# Altium PCB G431_Dev_V2.PcbDoc (part 1 of 2)
Units mil, origin at the board's own origin, x right, y up, seen from the top; angles counter-clockwise.
Board outline 1968.5 x 2618.11 mil, 4 copper layers (Top Layer, G1, G2, Bottom Layer), stack 46.904 mil thick; 148 components, 99 nets, 1156 pads, 217 vias.
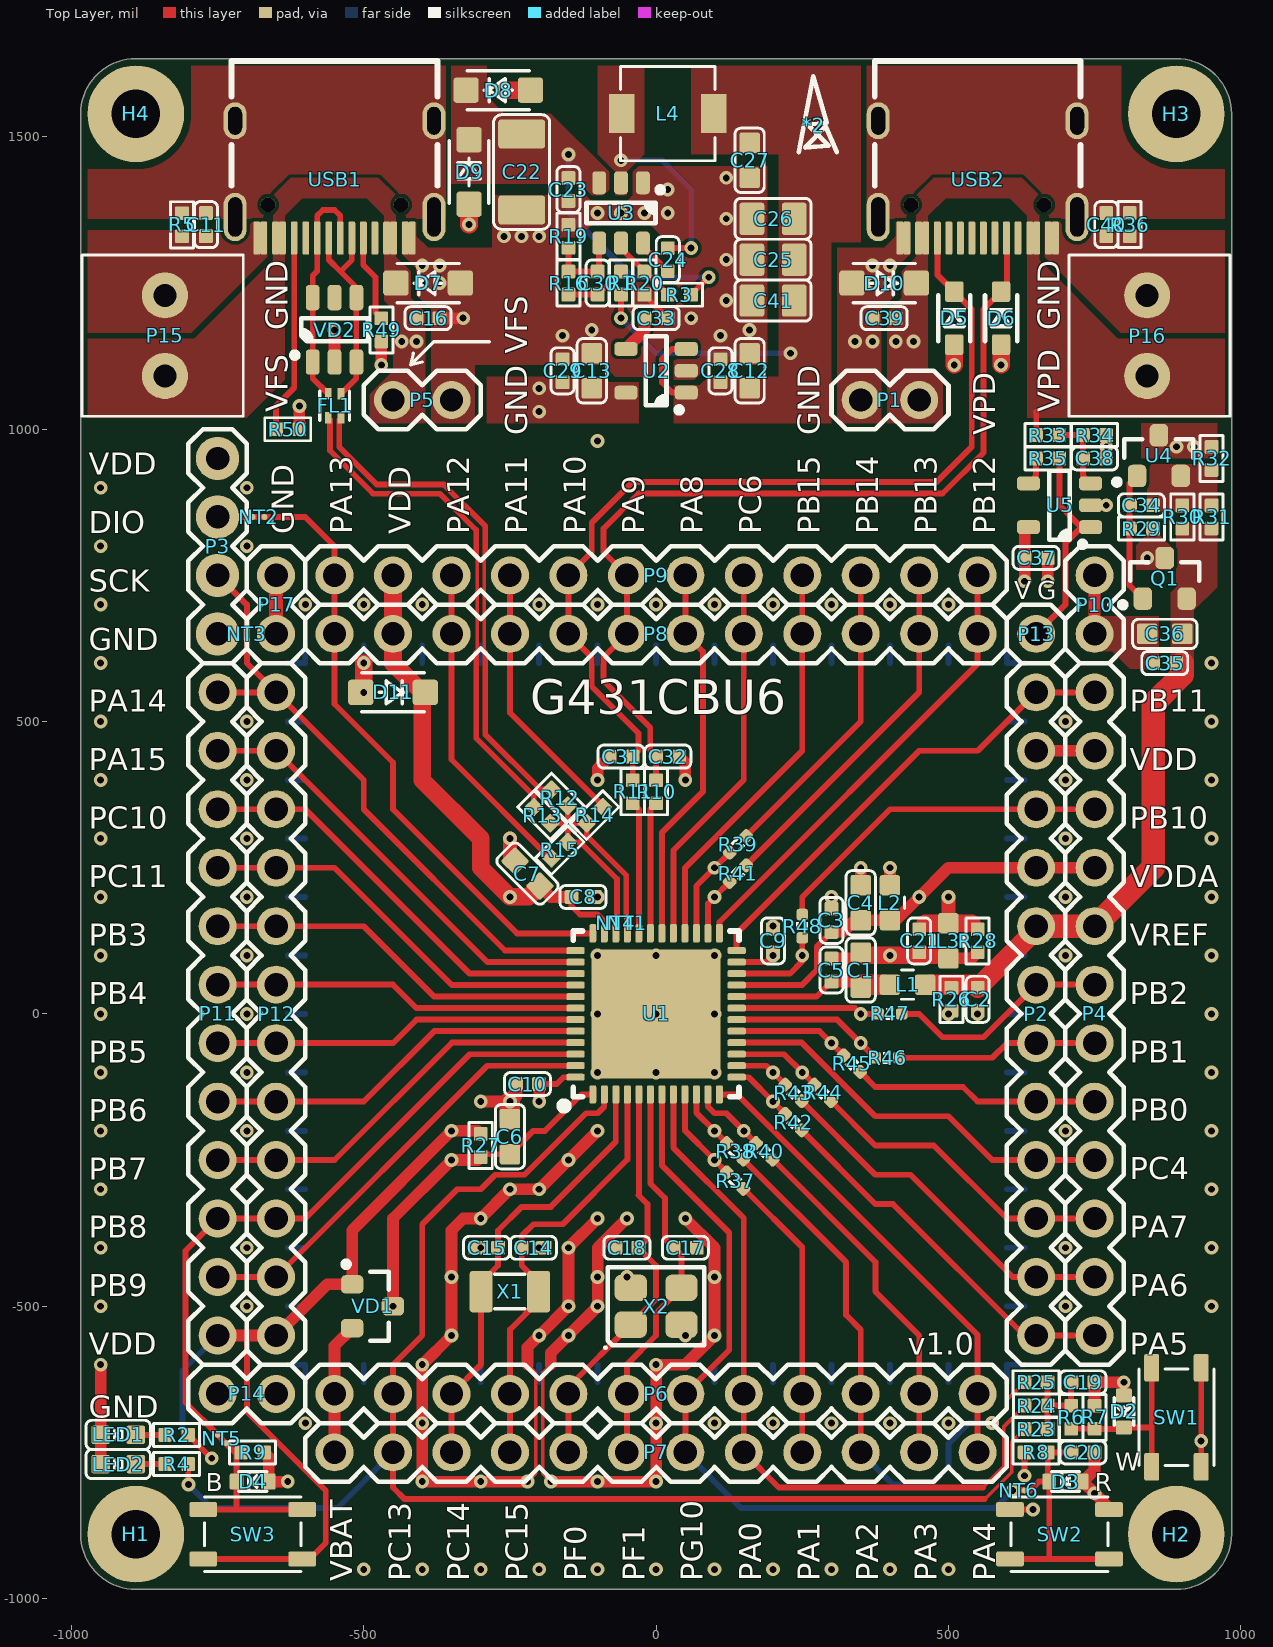
[diagram p0: Top Layer view]
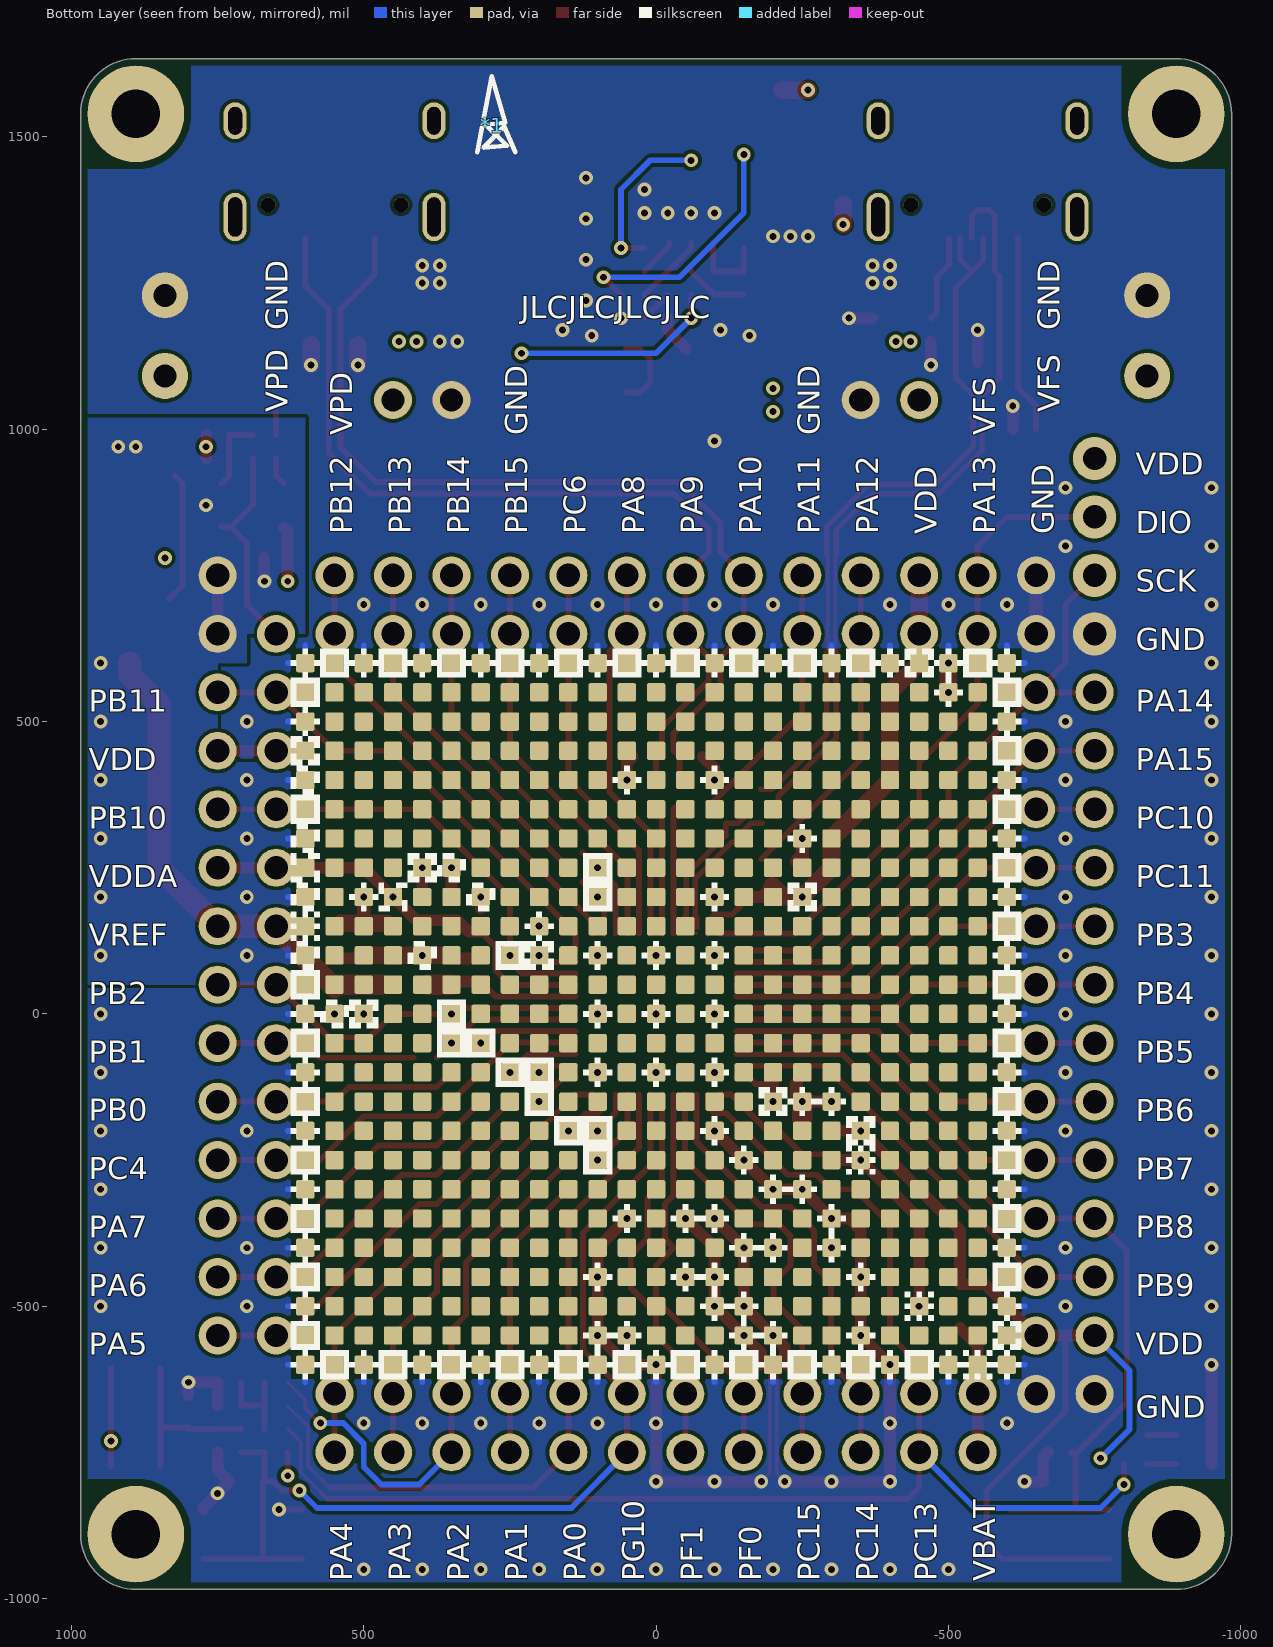
[diagram p1: Bottom Layer view, seen from below]
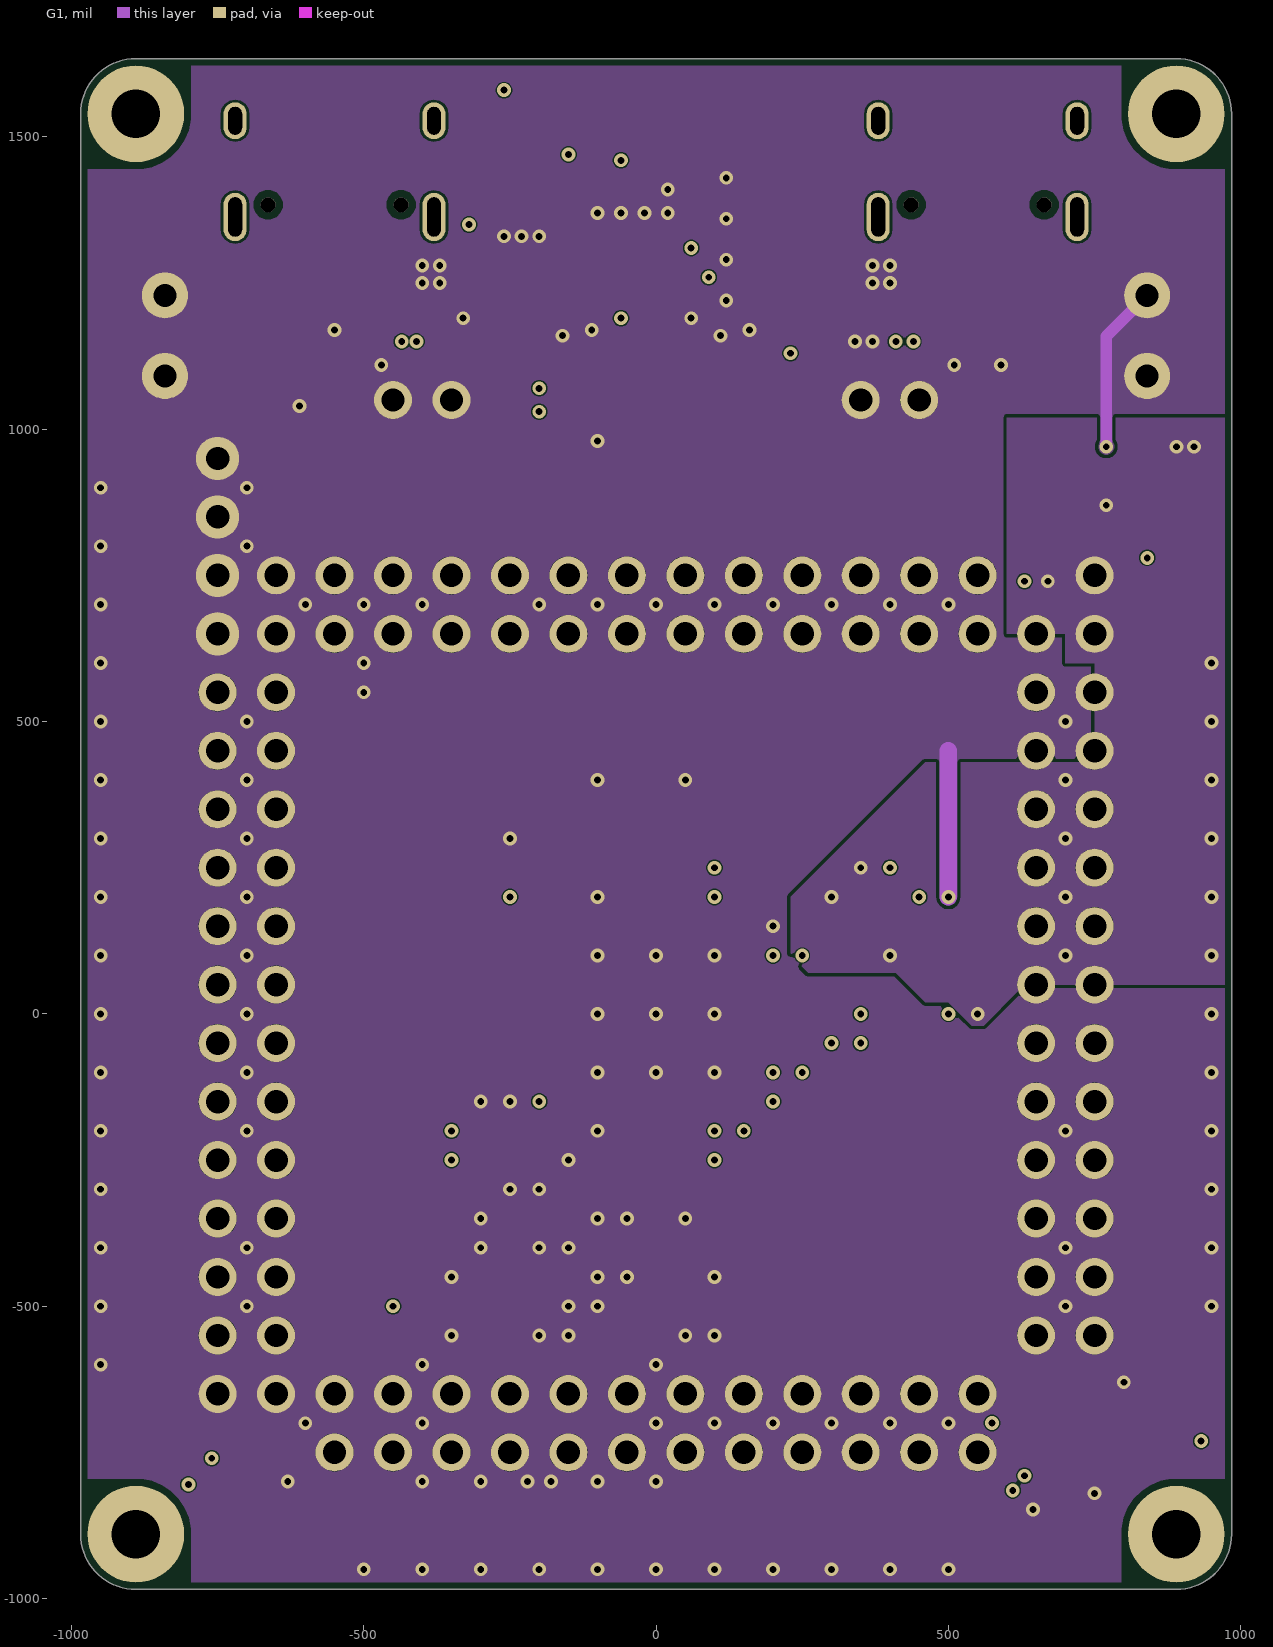
[diagram p2: G1]
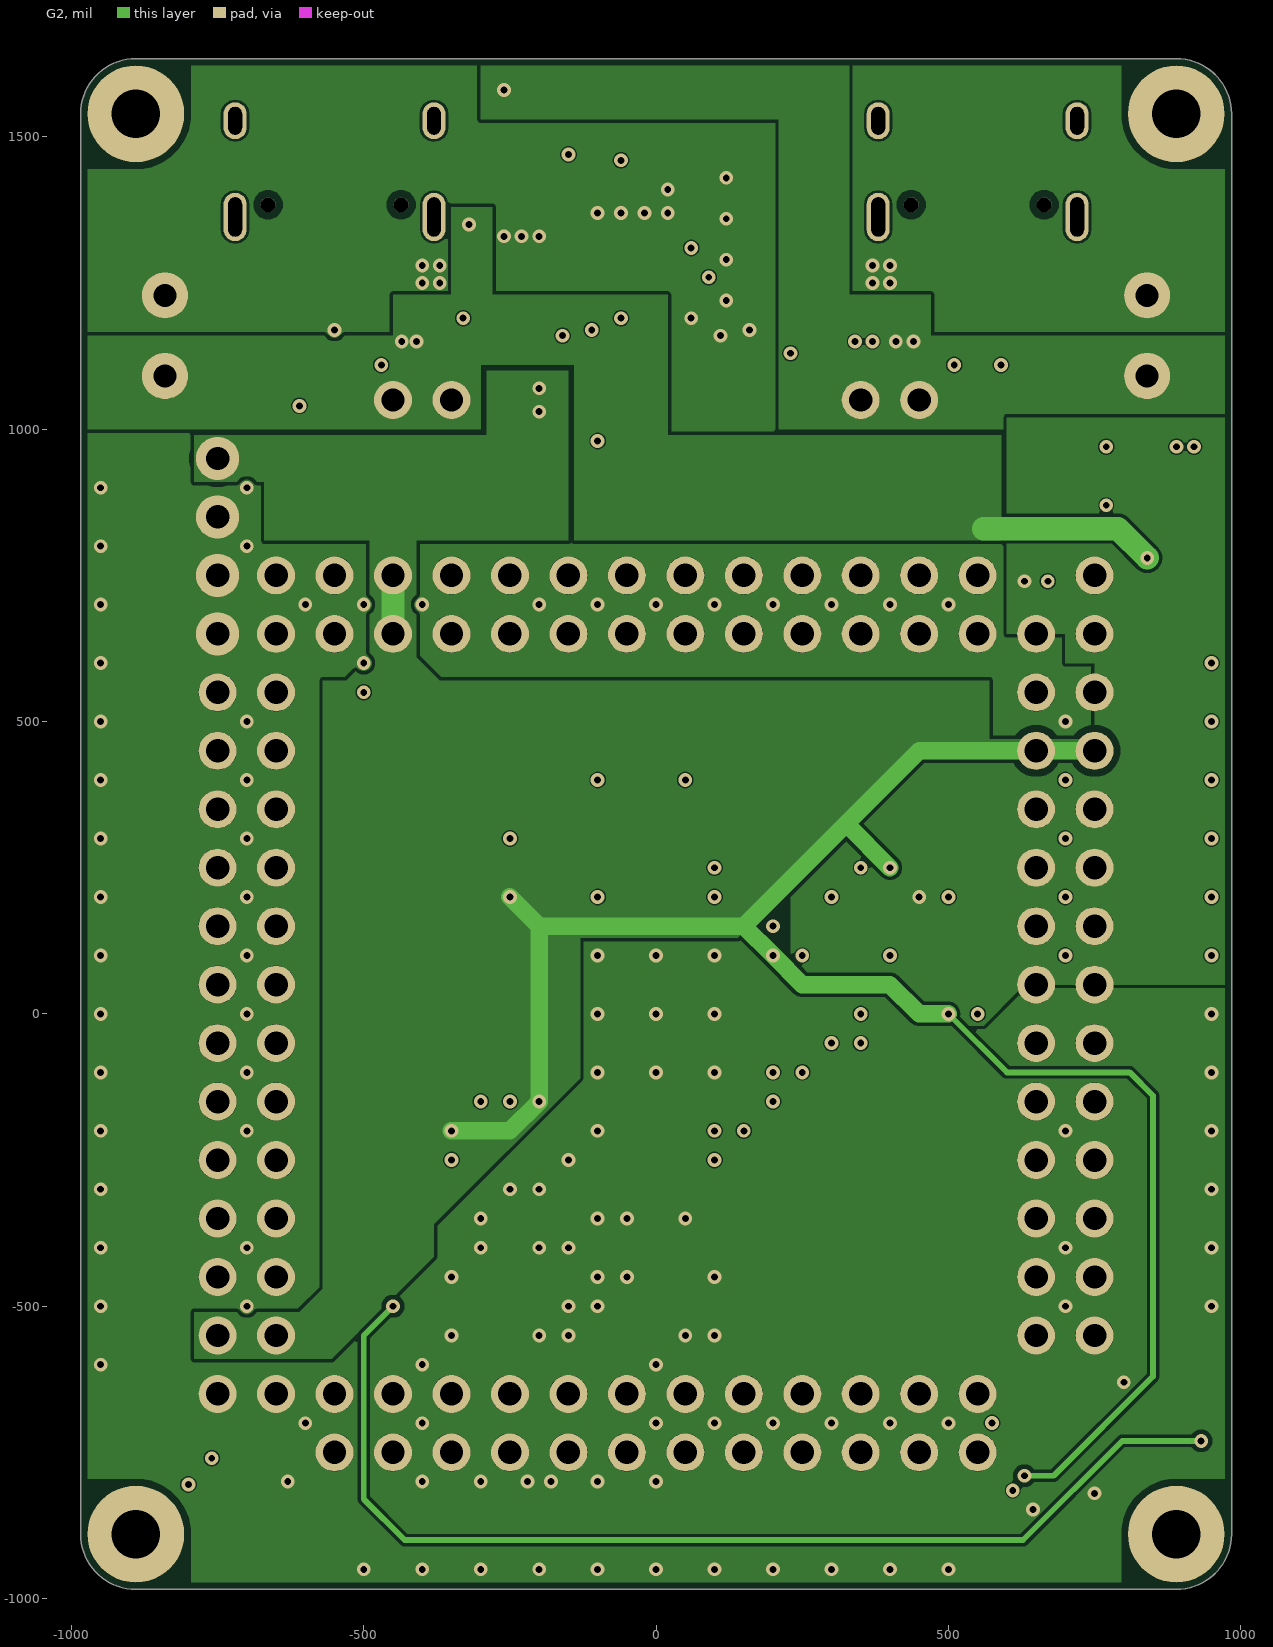
[diagram p3: G2]
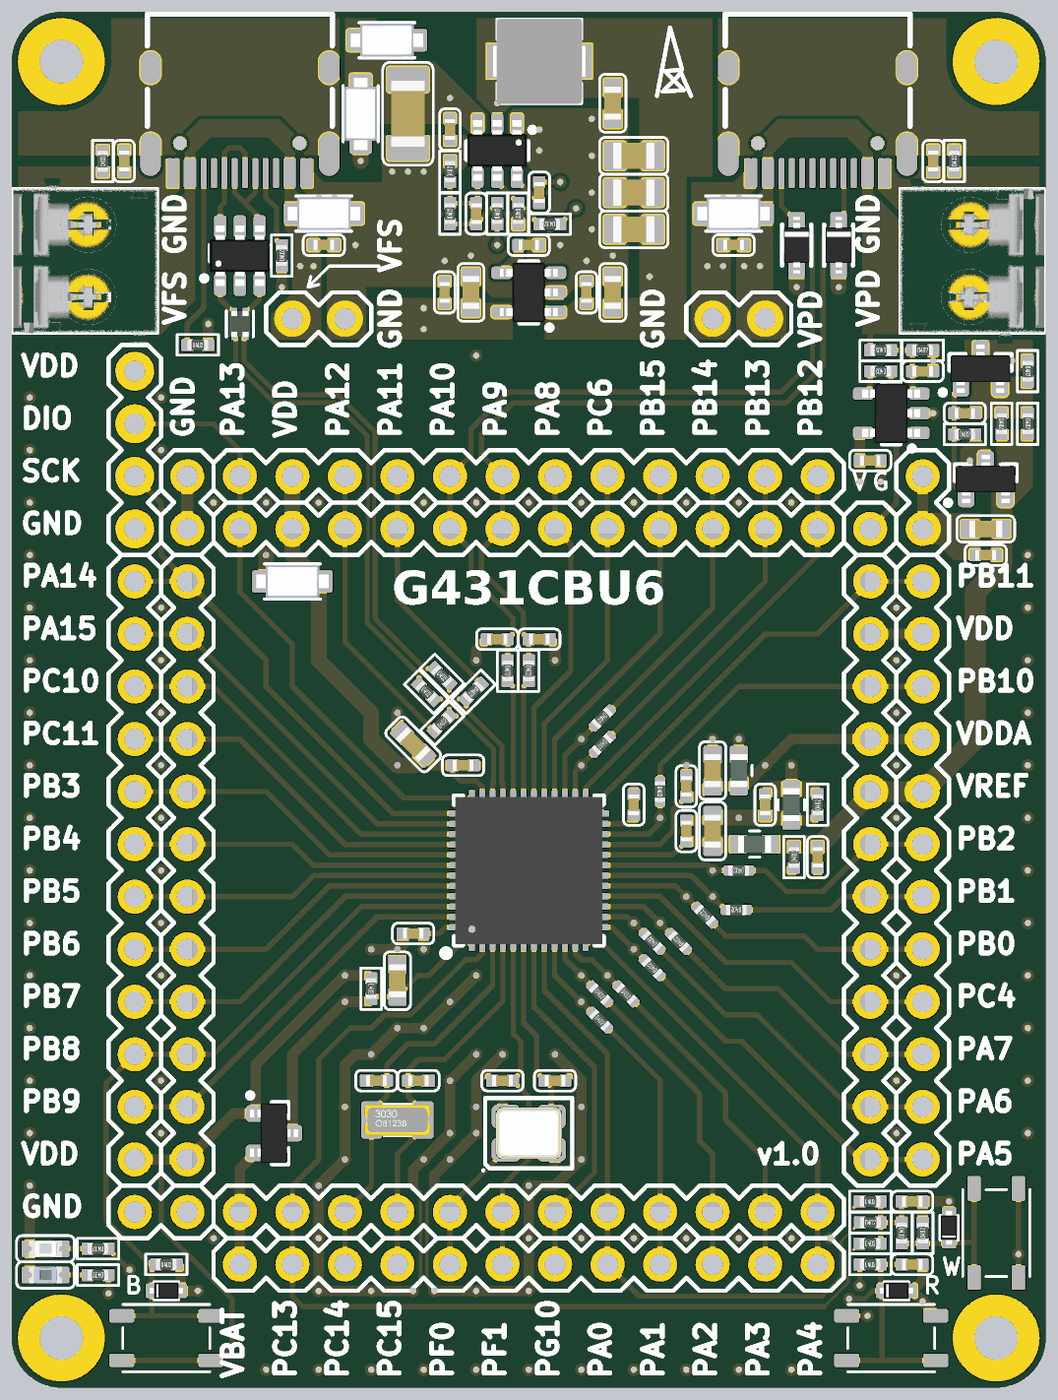
[diagram p5: 3D render of the assembled board from above, using the file's embedded part models]

## Layer stack, top to bottom
Top Solder: solder mask 0.4, Solder Resist, Dk 3.5
Top Layer: signal copper 1.4
Dielectric 2: prepreg 2.8, PP-006, Dk 4.1
G1: signal copper 1.378
Dielectric 1: dielectric 35.748, FR-4, Dk 4.8
G2: signal copper 1.378
Dielectric 3: prepreg 2.8, PP-006, Dk 4.1
Bottom Layer: signal copper 1.4
Bottom Solder: solder mask 0.4, Solder Resist, Dk 3.5

## Board outline
-984.25,-889.76 -984.25,1539.37 cw(c-889.76,1539.37) -889.76,1633.86 889.76,1633.86 cw(c889.76,1539.37) 984.25,1539.37 984.25,-889.76 cw(c889.76,-889.76) 889.76,-984.25 -889.76,-984.25 cw(c-889.76,-889.76)

## Design rules (kind name [scope] priority, off if disabled: settings)
BoardOutlineClearance [All] p1: gap=0 ignorepadtopadclearanceinfootprint=FALSE except(11.81: Poly-OutlineEdge Poly-CavityEdge Poly-CutoutEdge Poly-SplitBarrior)
Clearance Clearance_Inner_Pad_0.3mm [OnLayer('G1') OR OnLayer('G2') vs IsPad] p1: gap=12 ignorepadtopadclearanceinfootprint=FALSE except(0: Arc-Hole Track-Hole SMDPad-Hole THPad-Hole Via-Hole Fill-Hole Poly-Hole Region-Hole Text-Hole)
Clearance Clearance_Inner_Via_0.2mn [OnLayer('G1') OR OnLayer('G2') vs IsVia] p2: gap=8 ignorepadtopadclearanceinfootprint=FALSE except(0: Arc-Hole Track-Hole SMDPad-Hole THPad-Hole Via-Hole Fill-Hole Poly-Hole Region-Hole Text-Hole)
Clearance [All] p3: gap=6 ignorepadtopadclearanceinfootprint=FALSE except(0: Arc-Hole Track-Hole SMDPad-Hole THPad-Hole Via-Hole Fill-Hole Poly-Hole Region-Hole Text-Hole)
DiffPairsRouting [All] p1: maxlimit=100 minlimit=6 mostfreqgap=6 toplayer_minwidth=6 toplayer_maxwidth=30 toplayer_prefwidth=9.53 midlayer1_minwidth=6 midlayer1_maxwidth=30 midlayer1_prefwidth=9.53 midlayer2_minwidth=6 midlayer2_maxwidth=30 midlayer2_prefwidth=9.53 bottomlayer_minwidth=6 bottomlayer_maxwidth=30 bottomlayer_prefwidth=9.53 maxuncoupledlength=500
HoleSize [All] p1: absolutevalues=TRUE maxlimit=196.85 minlimit=11.81 maxpercent=80.000 minpercent=20.000
MinimumSolderMaskSliver [All] p1: minsoldermaskwidth=0
PlaneClearance [All] p1: clearance=12
PlaneConnect [All] p1: planeconnectstyle=Direct reliefexpansion=20 reliefentries=4 reliefconductorwidth=10 reliefairgap=10
PolygonConnect [All] p1: connectstyle=Direct reliefconductorwidth=10 reliefentries=4 polygonreliefangle="90 Angle" airgapwidth=10
RoutingVias [All] p1: holewidth=11.81 width=23.62 viastyle="Through Hole" minholewidth=11.81 minwidth=23.62 maxholewidth=196.85 maxwidth=208.66
SilkToSilkClearance [All] p1: silktosilkclearance=0
SilkToSolderMaskClearance [IsPad] p1: minsilkscreentomaskgap=0 clearancetoexposedcopper=TRUE
SolderMaskExpansion [All] p1: expansion=2 istentingtop=FALSE
Width [All] p1: maxlimit=100 minlimit=6 preferedwidth=10
23 further rules are at their usual default settings.

## Classes and differential pairs
net class opa: PA1 PA2 PA3 PA5 PA6 PA7 PB0 PB1 PB2 PB10 PB13 PB14
differential pair USBFS_D1: +USBFS_D1_P -USBFS_D1_N
differential pair USBFS_D0: +USBFS_D0_P -USBFS_D0_N

## Components (designator, comment, footprint, x,y, rotation, side; value= is the part's Value field where it differs from the comment)
*1 "ODG_LOGO" ODG_LOGO 280,1520 r180 bottom
*2 "ODG_LOGO" ODG_LOGO 270,1520 r0 top
C1 "1uF" C0603 350,75 r90 top
C2 "100nF" C0402 550,25 r90 top
C3 "100nF" C0402 300,160 r270 top
C4 "1uF" C0603 350,190 r270 top
C5 "100nF" C0402 300,75 r90 top
C6 "1uF" C0603 -250,-210 r270 top
C7 "4.7uF" C0603 -220,240 r315 top
C8 "100nF" C0402 -125,200 r180 top
C9 "100nF" C0402 200,125 r270 top
C10 "100nF" C0402 -220,-120 r0 top
C11 "10nF" C0402 -770,1350 r90 top
C12 "4.7uF" C0603 160,1100 r270 top
C13 "4.7uF" C0603 -110,1100 r270 top
C14 "6.8pF" C0402 -210,-400 r0 top
C15 "6.8pF" C0402 -290,-400 r180 top
C16 "100nF" C0402 -390,1190 r0 top
C17 "10pF" C0402 50,-400 r0 top
C18 "10pF" C0402 -50,-400 r180 top
C19 "100nF" C0402 730,-630 r180 top
C20 "100nF" C0402 730,-750 r180 top
C21 "100nF" C0402 450,125 r90 top
C22 "10uF/50V" C1206 -230,1440 r270 top
C23 "100nF/50V" C0402 -150,1410 r270 top
C24 "100nF" C0402 20,1290 r90 top
C25 "22uF" C0805 200,1290 r180 top
C26 "22uF" C0805 200,1360 r180 top
C27 "22uF" C0603 160,1460 r270 top
C28 "100nF" C0402 110,1100 r90 top
C29 "100nF" C0402 -160,1100 r90 top
C30 "47pF" C0402 -100,1250 r90 top
C31 "470pF" C0402 -60,440 r0 top
C32 "470pF" C0402 20,440 r0 top
C33 "DNP" C0402 0,1190 r0 top
C34 "100pF" C0402 830,870 r180 top
C35 "100nF" C0402 870,600 r180 top
C36 "10uF" C0603 870,650 r180 top
C37 "100nF" C0402 650,780 r0 top
C38 "22nF" C0402 750,950 r0 top
C39 "100nF/50V" C0402 390,1190 r180 top
C40 "10nF" C0402 770,1350 r90 top
C41 "DNP" C0805 200,1220 r0 top
D2 "CESD3V3D5" SOD-523 800,-680 r270 top
D3 "CESD3V3D5" SOD-523 700,-800 r180 top
D4 "CESD3V3D5" SOD-523 -690,-800 r180 top
D5 "CESD5V0D3" SOD-323 510,1190 r90 top
D6 "CESD5V0D3" SOD-323 590,1190 r90 top
D7 "SMF5.0A" SOD123F -390,1250 r180 top
D8 "DSK24" SOD123F -270,1580 r180 top
D9 "DSK24" SOD123F -320,1440 r90 top
D10 "SMF26A" SOD123F 390,1250 r0 top
D11 "SMF3.3A" SOD123F -450,550 r0 top
FL1 "Common_Mode_Filter_USB_1210" FIL_1210_DLP11RB400UL2L -550,1040 r90 top
H1 "HOLE" "M2.1 D=4.2" -889.76,-889.76 r90 top
H2 "HOLE" "M2.1 D=4.2" 889.76,-889.76 r90 top
H3 "HOLE" "M2.1 D=4.2" 889.76,1539.37 r90 top
H4 "HOLE" "M2.1 D=4.2" -889.76,1539.37 r90 top
L1 "600R@100MHz" FER0603 430,50 r180 top
L2 "600R@100MHz" FER0603 400,190 r270 top
L3 "600R@100MHz" FER0603 500,125 r270 top
L4 "10uH" "INDUCTOR 0420 4.6X4.1X2MM" 20,1540 r0 top
LED1 "LED" LED0603_GREEN -920,-720 r180 top value=color?
LED2 "LED" LED0603_BLUE -920,-770 r180 top value=color?
NT1 "NetTie" NetTie_D=10MIL_C=10MIL -49.21,145 r90 top net-tie value=NetTie_200um